# Altium PCB PCB_UDC_PlacaControle_V2.0.PcbDoc (part 6 of 7) (continued)
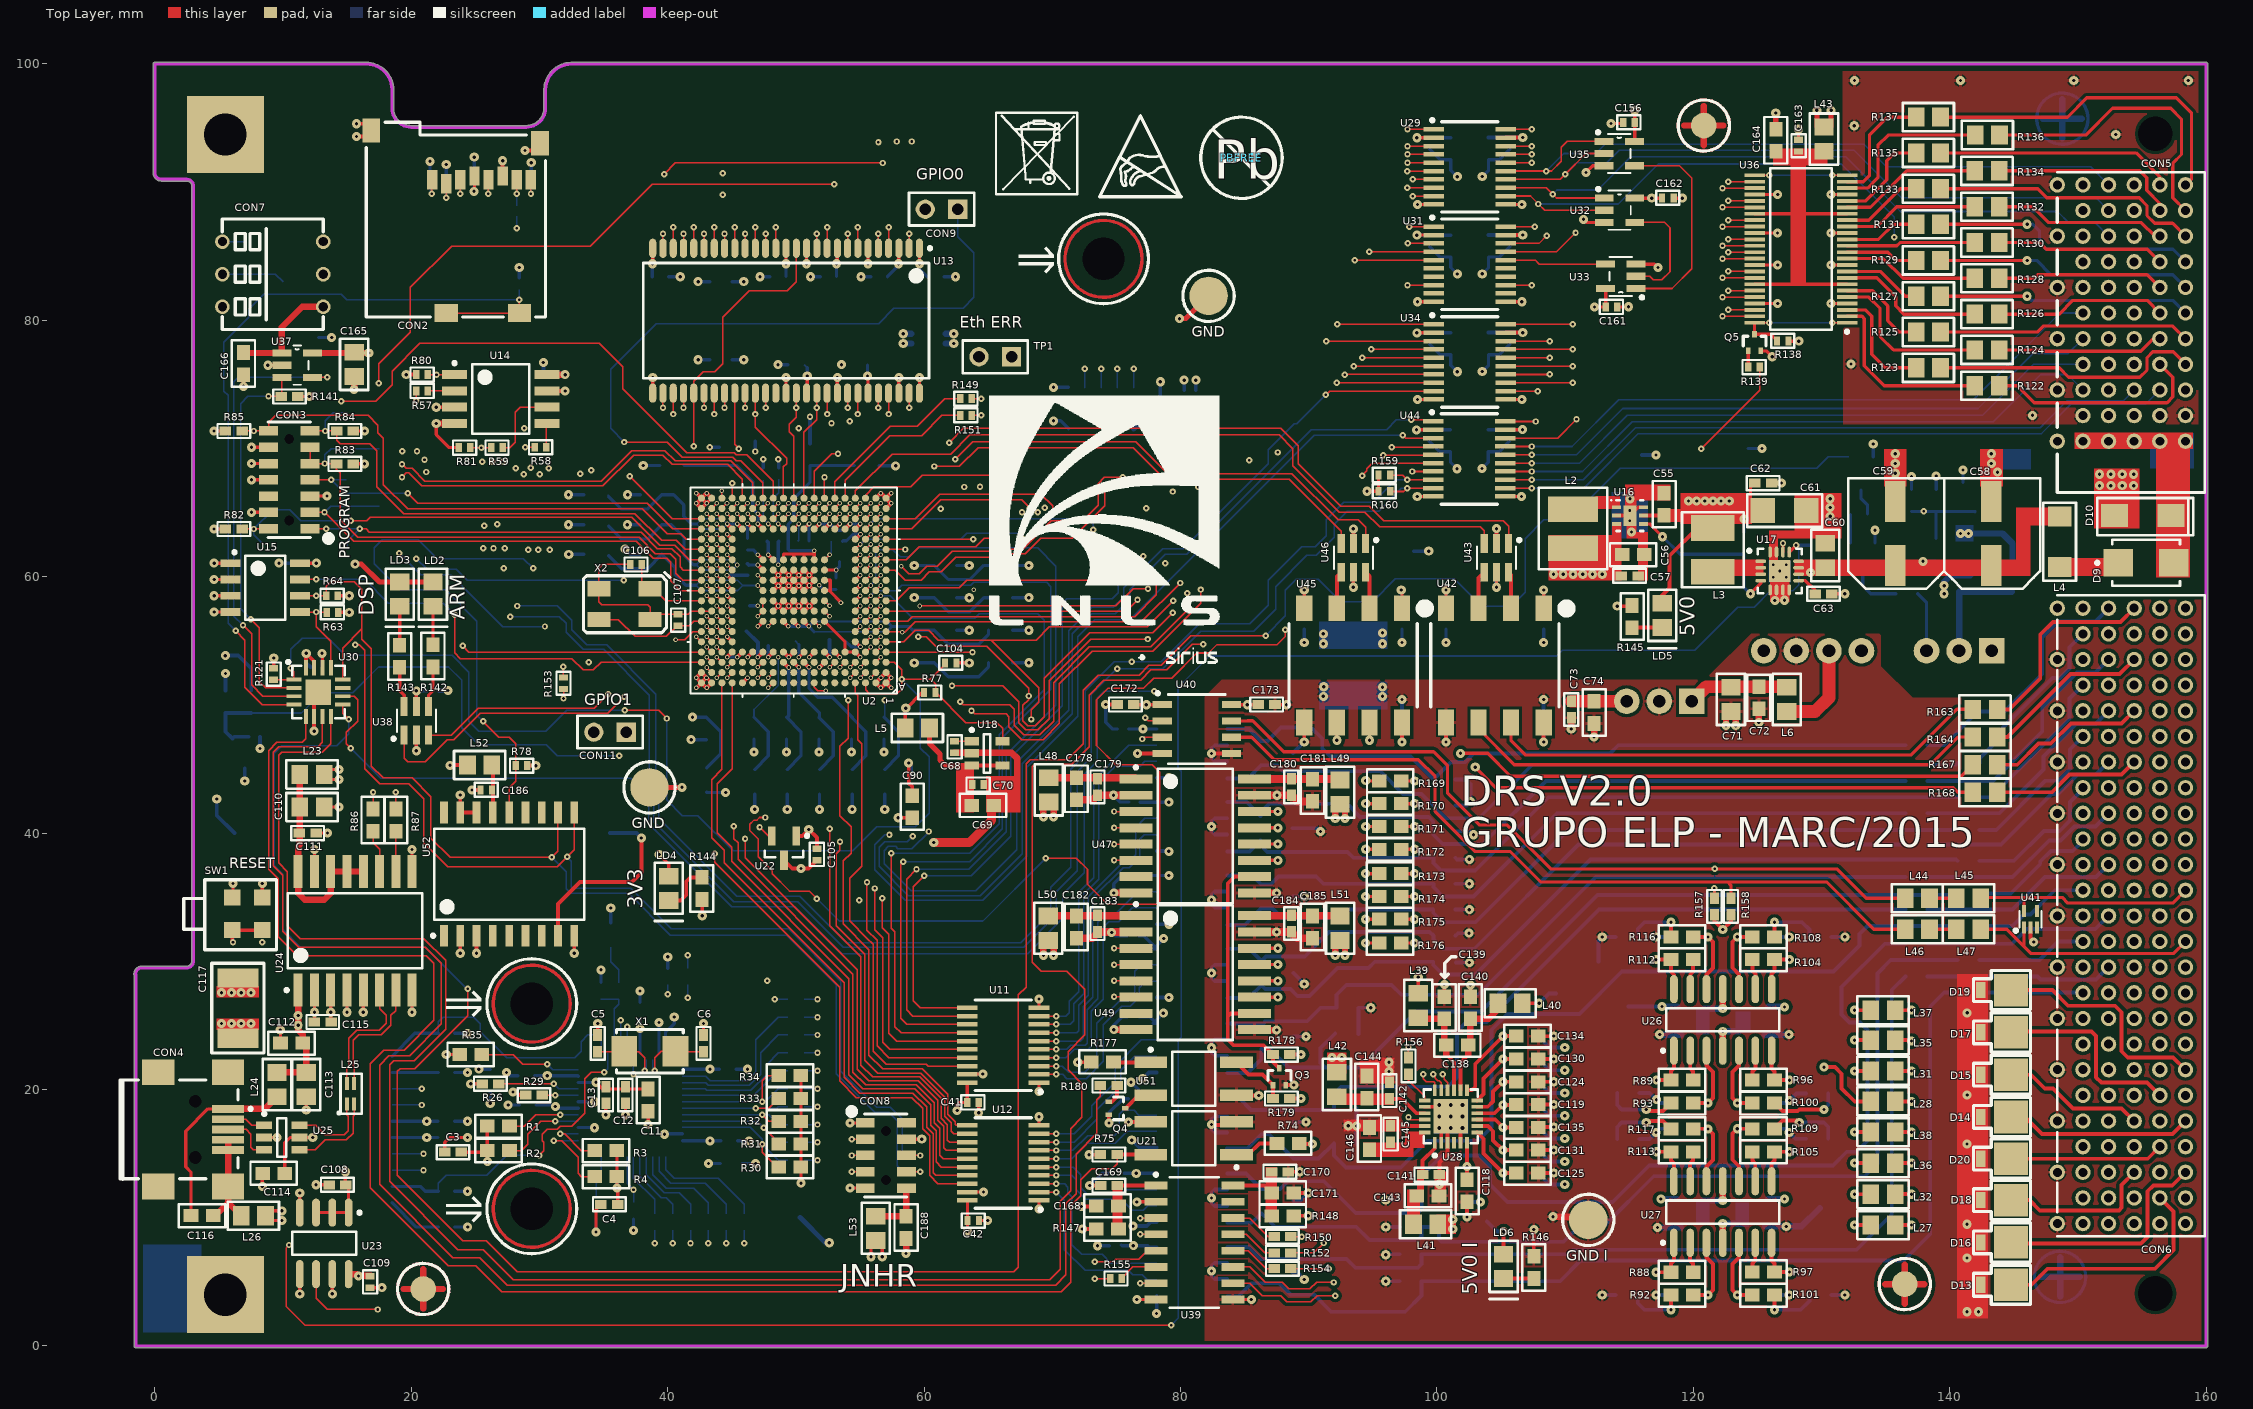
[diagram p0: Top Layer view]
## Nets (pads, with @x,y where several pads share a name; then routed paths per layer and width w, separated by ;. In a path a pad name is that pad's centre, name@x,y a point inside that pad or via, vN(x,y) a via of type N, cw(c..) or ccw(c..) an arc to the next point about the centre after c; other vN are vias at no path point) (continued)
  Top Layer w0.3: v1(19.609,75.769) R80.1@20.396,75.769 ; v1(21.946,73.228) U14.3@23.375,73.228 ; v1@23.038,45.314 L52.2@24.384,45.314 ; R78.1@29.061,45.266 v1(29.715,45.266) ; U14.7@30.575,74.498 v1(32.004,74.498) ; U22.1@50.023,39.787 50.504,39.787 v1(51.002,40.284) 51.638,39.648 C105.2@51.638,38.797 ; v1(71.992,22.128) R177.1@73.023,22.128 ; v1(72.339,9.125) R147.1@73.439,9.125 ; C172.2@76.373,50.022 U40.1@78.58,50.022
  Top Layer w0.4: v1(15.621,60.985) 16.125,60.985 17.522,59.588 LD3.2@19.101,59.588 LD2.2@21.692,59.588
  Top Layer w0.5: U14.8@30.575,75.768 v1(32.004,75.768) ; v1(69.314,30.48) L50.1@69.314,31.157 ; v1(69.314,41.275) L48.1@69.314,42.02 ; v1(70.104,30.48) L50.1@70.104,31.222 ; v1(70.104,41.275) L48.1@70.104,42.048
  Bottom Layer w0.254: C54.2@11.873,61.062 v1(12.598,61.062) ; TP19.1@12.779,78.664 v1(13.792,78.664) ; C155.2@13.041,52.959 v1(13.041,54.026) ; CON1.6@18.5,16.256 C2.2@22.068,16.256 ; CON1.3@18.5,17.526 C1.2@22.068,17.526 ; v1(20.396,51.105) 21.249,51.105 C167.2@21.274,51.13 ; R62.1@21.463,91.593 v1(21.463,92.405) ; R61.1@22.733,91.339 v1(22.733,92.151) ; R28.2@23.398,9.271 v1(24.399,9.271) ; R23.2@23.398,12.065 v1(24.384,12.065) ; R27.2@23.398,21.336 v1(24.384,21.336) ; R24.2@23.398,24.384 v1(24.384,24.384) ; v1(24.892,90.068) C53.2@24.892,90.997 ; v1@25.299,21.564 C7.2@26.162,21.564 ; R60.1@28.423,83.312 v1(28.423,84.125) ; C9.2@29.621,21.082 v1(30.607,21.082) 32.998,21.082 U1.23@33.034,21.046 ; C8.2@29.748,18.796 31.115,18.796 31.365,18.546 U1.18@33.034,18.546 ; v1(32.263,64.059) L12.1@33.461,64.059 ; v1(32.263,66.396) L19.1@33.461,66.396 ; v1(32.283,61.749) L11.1@33.481,61.749 ; U1.22@33.034,20.546 v1@34.389,20.546 ; R25.2@34.798,28.351 v1(34.798,29.337) ; LD1.2@35.56,33.02 v1(35.56,34.163) ; v1(37.338,9.017) R36.1@37.338,9.906 ; U1.32@37.834,22.846 C15.2@37.834,25.485 ; v1(38.1,68.682) L20.1@39.375,68.682 ; R37.1@40.005,29.464 v1(40.005,30.353) ; U1.48@41.178,16.002 C16.2@44.166,16.002 ; U1.37@41.178,21.59 C10.2@44.039,21.59 ; L18.1@43.053,43.186 43.058,43.181 v1(44.526,43.181) ; v1(43.18,14.224) C14.2@44.095,14.224 ; v1(46.787,41.859) L17.1@46.787,43.058 ; v2(46.836,69.774) R79.1@46.838,70.587 R79.1@46.838,70.587 ; v1(49.327,41.859) L9.1@49.327,43.058 ; v1(51.853,41.859) L8.1@51.853,43.058 ; v1(54.393,41.859) L10.1@54.393,43.058 ; L16.1@56.51,68.656 v1(57.785,68.656) ; v1(56.933,41.859) L21.1@56.933,43.058 ; L15.1@66.924,53.293 v1(68.174,53.293) ; L22.1@66.924,55.829 v1(68.174,55.829) ; L14.1@66.924,58.369 v1(68.174,58.369) ; L13.1@66.924,60.884 v1(68.174,60.884) ; C36.2@75.389,7.874 75.442,7.821 77.443,7.821 77.543,7.721 U10.8@78.149,7.721 ; C35.2@75.616,13.462 U9.8@78.149,13.462 ; C17.2@75.975,48.133 v1(77.089,48.133) U3.8@78.149,48.133 ; v1(76.149,20.574) 76.821,19.903 C30.2@76.821,19.279 ; C24.2@76.738,31.988 77.149,31.988 U6.8@78.149,30.988 77.902,30.988 v1(78.689,31.775) ; C29.2@76.765,25.686 77.609,25.686 U7.8@78.149,25.146 ; C23.2@76.765,36.703 U5.8@78.149,36.703 v1(79.096,36.703) ; C30.2@76.825,19.279 U8.8@78.136,19.279 ; C18.2@76.866,42.418 U4.8@78.149,42.418 v1@79.248,42.418 ; U7.8@78.175,25.172 77.877,25.172 v1(78.664,25.959) ; L54.1@80.289,74.544 v1(80.289,75.336) ; L54.1@81.204,74.544 v1(81.204,75.336) ; v1(89.662,54.864) R165.2@89.662,55.929 ; v1(93.488,59.182) C177.2@93.488,60.821 ; v1(97.282,54.864) R166.2@97.282,55.906 ; TP2.1@98.2,62 v1(99.365,62) ; v1(98.413,71.461) C187.2@101.053,71.461 ; v1(98.439,79.03) C158.2@99.441,79.03 C157.2@101.078,79.03 ; v1(98.439,86.65) C152.2@99.441,86.65 C151.2@101.078,86.65 ; v1(98.439,94.245) C148.2@99.441,94.245 C147.2@101.078,94.245 ; v1@100.716,54.869 R161.2@100.716,55.906 ; C175.2@104.602,60.93 104.602,59.228 v1(104.648,59.182) ; v1(108.331,54.864) R162.2@108.331,55.906
  Bottom Layer w0.5: C52.2@31.202,75.768 v1(32.004,75.768) ; L1.1@61.678,78.198 v1(62.318,78.198) ; L1.1@61.678,78.96 v1(62.318,78.96)
  other v1: 76.327,7.823 76.556,13.462 43.307,16.002 21.209,16.256 21.209,17.526 31.24,18.671 25.273,21.59 43.307,21.59 37.834,24.765 79.096,42.418 23.012,45.288 58.572,49.753 77.343,50.022 100.711,54.864 109.093,60.198 109.855,60.198 110.617,60.198 111.379,60.198 112.141,60.198 112.903,60.198
VDD5V: C55.2 C61.2 C62.2 C109.2 C149.2 C150.2 C153.2 C154.2 C156.2 C159.2 C160.2 C161.2 C162.2 C165.2 C191.2 C192.2 L3.2 L7.1 L43.1 LD5.2 Q1.2 R68.1 R69.1 R138.1 TP3.1 U16.5 U17.14 U23.8 U29.19 U31.19 U32.5 U33.5 U34.19 U35.5 U37.5 U44.19 | length 161
  Top Layer w0.254: v1(112.293,81.05) C161.2@113.171,81.05 U33.5@113.171,82.473 ; U35.5@115.443,93.99 v1(115.443,96.393) ; U32.5@115.453,89.535 v1(116.764,89.535) C162.2@117.54,89.535 ; 124.46,66.294 124.46,66.959 C62.2@124.811,67.31 ; U17.14@126.996,61.927 v5@126.996,62.607 ; R138.1@127.432,78.38 v1(128.239,78.38)
  Top Layer w0.3: U44.19@105.35,71.475 v1(106.68,71.475) ; U29.19@105.365,94.248 105.375,94.259 v1(106.705,94.259) ; U34.19@105.375,79.044 v1(106.705,79.044) ; U31.19@105.375,86.664 v1(106.705,86.664) ; U16.5@116.116,64.77 C55.2@117.706,64.77 ; LD5.2@117.577,57.937 117.577,58.547 118.161,59.131 118.161,61.641 L3.2@120.323,63.803
  Top Layer w0.4: L43.1@129.642,95.119 v1(129.642,96.383) ; L43.1@130.759,95.119 v1(130.759,96.383)
  Top Layer w0.5: U37.5@12.294,77.455 v1(16.688,77.455) ; U23.8@15.113,5.601 15.735,5.601 v1(15.875,5.461) C109.2@16.861,5.461
  Signal 2 w0.3: 3.708,52.908 4.166,52.451 v1(5.512,52.451)
  Signal 2 w0.5: v1(15.875,5.461) 16.688,5.461 18.821,7.595 18.821,20.828 23.546,25.552 23.546,29.524 20.608,32.461 4.496,32.461 3.708,33.249 3.708,76.149 5.014,77.455 v1(16.688,77.455)
  Bottom Layer w0.254: R68.1@123.952,63.474 v1(123.952,64.516) ; TP3.1@124.302,70.002 v1(125.374,70.002) ; Q1.2@134.173,62.641 v1(134.173,63.627)
  Bottom Layer w0.3: R69.1@5.512,51.104 v1(5.512,52.451) ; C192.2@104.013,71.475 v1(106.68,71.475) ; C160.2@104.038,79.044 v1(106.705,79.044) ; C154.2@104.038,86.664 v1(106.705,86.664) ; C150.2@104.038,94.259 v1(106.705,94.259)
  Bottom Layer w0.5: v1@140.741,63.373 144.127,63.373 144.907,62.593 L7.1@144.907,60.776
  other v1: 140.843,63.373 141.478,63.373 119.634,65.913 120.269,65.913 120.904,65.913 121.539,65.913 122.174,65.913 122.809,65.913
  other v5: 127,62.611
VDD5V_ISO: C73.2 C74.2 C173.2 C174.2 C176.2 L41.2 L42.2 L49.2 L51.2 LD6.2 R74.1 R148.2 R157.1 R158.1 R178.1 R179.1 TP5.1 U19.3 U40.8 U42.8 U45.8 | length 24.9
  Top Layer w0.3: U40.8@83.98,50.022 v1(85.217,50.022) C173.2@86.187,50.022 ; R179.1@88.519,19.304 v1(89.395,19.304) ; R178.1@88.524,22.733 v1(89.408,22.733) ; R148.2@88.844,10.156 v1(89.974,10.156) ; R74.1@89.313,15.748 v1(90.297,15.748) ; v1(97.282,47.117) U45.8@97.282,48.636 ; LD6.2@105.207,7.163 v1(105.207,8.915) ; v1(108.331,47.117) U42.8@108.331,48.633 ; R157.1@121.654,33.638 121.654,33.136 v1(122.305,32.485) 122.939,33.12 R158.1@122.939,33.638
  Top Layer w0.5: v1(92.075,30.48) L51.2@92.075,31.253 ; v1(92.075,41.148) L49.2@92.075,41.864 ; v1(92.837,30.48) L51.2@92.837,31.253 ; v1(92.837,41.148) L49.2@92.837,41.864
  Top Layer w1: C73.2@110.49,50.297 U19.3@114.803,50.297
  Bottom Layer w0.3: v1(97.282,47.117) C176.2@97.282,48.247 ; TP5.1@103.9,9.7 104.685,8.915 v1(105.207,8.915) ; v1(108.331,47.117) C174.2@108.331,48.247
  other v1: 101.244,9.113 101.244,9.864 91.821,22.509 92.583,22.509
VDD15V: CON5.A11 CON5.B11 CON5.C11 CON5.D11 CON5.E11 D9.2 D10.K TP20.1
VDD15V_ISO: L6.1 L29.2 L33.2 L40.2 TP6.1 U20.6 | length 12.9
  Top Layer w0.3: L40.2@106.674,26.735 v1(107.98,26.735)
  Top Layer w1: L6.1@127.292,49.489 129.508,49.489 130.581,50.562 U20.6@130.581,54.229
  Bottom Layer w0.3: v1(107.98,26.735) 108.745,27.5 TP6.1@109.3,27.5
  Bottom Layer w0.5: L33.2@125.857,11.46 v1(127.127,11.46) ; L29.2@125.857,26.446 v1(127.127,26.446)
VDD-15V_ISO: L30.2 L34.2 L39.2 TP8.1 U20.8 | length 6.3
  Top Layer w0.3: L39.2@98.547,27.51 v1(98.547,28.762)
  Bottom Layer w0.3: TP8.1@114.928,26.472 v1(117.571,26.472)
  Bottom Layer w0.5: v1(117.475,11.46) L34.2@118.709,11.46 ; v1(117.571,26.472) L30.2@118.775,26.472
VOLT_IN_TRIP: U2.B4 U2.H17 | length 15.8
  Top Layer w0.102: v3(43.842,57.721) U2.H17@44.235,57.328 ; v3(54.242,52.135) U2.B4@54.635,52.528
  Signal 2 w0.102: v3(43.842,57.721) 44.235,57.328 45.796,57.328 46.126,56.998 46.126,55.614 46.775,54.966 53.442,54.966 53.848,54.559 53.848,52.528 v3(54.242,52.135)
pads on no net: ?.FD CON3.0 CON3.6 CON4.MH1 CON4.MH2 CON5.A9 CON6.A2 CON6.A4 CON6.A6 CON6.A8 CON6.A9 CON6.A10 CON6.A11 CON6.A13 CON6.A15 CON6.A16 CON6.A17 CON6.A18 CON6.A20 CON6.A22 CON6.A24 CON6.A25 CON6.B1 CON6.B3 CON6.B5 CON6.B7 CON6.B9 CON6.B10 CON6.B11 CON6.B12 CON6.B13 CON6.B14 CON6.B15 CON6.B16 CON6.B17 CON6.B18 CON6.B19 CON6.B21 CON6.B23 CON6.B25 CON6.C2 CON6.C4 CON6.C6 CON6.C8 CON6.C9 CON6.C10 CON6.C11 CON6.C12 CON6.C13 CON6.C14 CON6.C15 CON6.C16 CON6.C17 CON6.C18 CON6.C19 CON6.C20 CON6.C22 CON6.C24 CON6.C25 CON6.D2 CON6.D4 CON6.D6 CON6.D8 CON6.D10 CON6.D12 CON6.D14 CON6.D16 CON6.D17 CON6.D18 CON6.D19 CON6.D20 CON6.D21 CON6.D22 CON6.D23 CON6.D24 CON6.D25 CON6.E1 CON6.E3 CON6.E5 CON6.E7 CON6.E9 CON6.E11 CON6.E13 CON6.E15 CON6.E17 CON6.E18 CON6.E19 CON6.E20 CON6.E21 CON6.E22 CON6.E23 CON6.E24 CON6.E25 CON7.1 CON7.4 CON8.0 CON8.2 CON10.0 CON10.3 CON10.5 CON10.7 D11.2 D12.2 U1.8 U1.9 U1.10 U1.12 U1.25 U2.A5 U2.A6 U2.A7 U2.A9 U2.A10 U2.A11 U2.A13 U2.A14 U2.B5 U2.B6 U2.B7 U2.B8 U2.B9 U2.B10 U2.B11 U2.B14 U2.B15 U2.C8 U2.C12 U2.C14 U2.C15 U2.K1 U2.L1 U13.40 U20.5 U28.4 U30.11 U31.6 U31.7 U31.9 U31.12 U31.14 U31.15 U39.15 U41.3 U41.4 U47.7 U49.7 U52.1 U52.4 U52.5 U52.6 U52.7 U52.12 U52.13 U52.18

## Polygon pours and split planes (outlines as drawn)
GND on Top Layer "Mechanical 14-No Net" (solid, remove dead copper, pour order 5): 131.674,91.694 131.674,99.441 159.385,99.441 159.385,96.799 159.385,71.882 154.584,71.882 131.699,71.882
GND_ISO on Top Layer "Mechanical 14-No Net" (solid, pour order 7): 81.915,0 81.915,6.553 81.915,50.648 83.236,51.968 85.42,51.968 120.929,51.968 124.536,55.575 126.314,55.575 134.518,55.575 134.645,55.448 134.645,54.66 134.645,53.035 137.135,50.546 138.074,50.546 145.136,50.546 147.041,52.451 147.041,56.185 147.041,57.256 147.976,58.191 152.349,58.191 160,58.191 160,0
GND_ISO on Bottom Layer "Mechanical 14-No Net" (solid, pour order 6): 81.915,0 81.915,6.553 81.915,50.648 83.236,51.968 85.42,51.968 120.929,51.968 124.536,55.575 126.314,55.575 134.518,55.575 134.645,55.448 134.645,54.66 134.645,53.035 137.135,50.546 138.074,50.546 145.136,50.546 147.041,52.451 147.041,56.185 147.041,57.256 147.976,58.191 152.349,58.191 160,58.191 160,0
GND on Bottom Layer "Mechanical 14-No Net" (solid, pour order 8): 34.334,21.539 39.827,21.539 39.827,16.06 39.834,16.053 34.334,16.053
no net on GND (split plane): 32.48,99.614 32.511,99.617
GND_SH on GND (split plane): 9.658,90.418 3.383,90.418 3.383,90.5 3.381,90.517 3.375,90.615 3.352,90.728 3.315,90.838 3.264,90.941 3.2,91.037 3.124,91.124 3.037,91.2 2.941,91.264 2.838,91.315 2.728,91.352 2.615,91.375 2.517,91.381 2.502,91.383 2.5,91.383 2.499,91.383 0.5,91.383 0.493,91.382 0.454,91.39 0.416,91.416 0.39,91.454 0.382,91.493 0.383,91.5 0.383,99.617 9.658,99.617
GND_ISO on GND (split plane): 159.617,0.383 81.901,0.383 81.901,50.639 83.219,51.957 120.454,51.957 120.585,51.965 120.713,51.991 120.837,52.033 120.955,52.091 121.064,52.164 121.163,52.25 124.497,55.585 134.514,55.585 134.65,55.448 134.65,53.45 134.659,53.32 134.685,53.191 134.727,53.067 134.785,52.949 134.858,52.84 134.944,52.742 136.832,50.853 136.931,50.767 137.04,50.694 137.157,50.636 137.282,50.594 137.41,50.568 137.541,50.56 144.78,50.56 144.911,50.568 145.039,50.594 145.164,50.636 145.281,50.694 145.39,50.767 145.489,50.853 146.716,52.08 146.802,52.179 146.875,52.288 146.933,52.405 146.975,52.53 147.001,52.658 147.009,52.789 147.009,57.2 147.989,58.18 159.512,58.18 159.617,58.187
"GND USB" on GND (split plane): 10.668,29.343 20.707,29.343 20.707,25.735 20.493,25.521 19.812,25.521 19.714,25.512 19.62,25.483 19.533,25.437 19.457,25.374 18.207,24.124 16.383,24.124 16.285,24.115 16.191,24.086 16.104,24.04 16.028,23.977 15.901,23.85 15.838,23.774 15.792,23.687 15.763,23.593 15.754,23.495 15.754,9.265 -0.998,9.265 -0.998,22.485 3.937,22.485 4.035,22.494 4.129,22.523 4.216,22.569 4.292,22.632 4.355,22.708 4.401,22.795 4.43,22.889 4.439,22.987 4.439,25.533 9.779,25.533 9.877,25.542 9.971,25.571 10.058,25.617 10.134,25.68 10.197,25.756 10.243,25.843 10.272,25.937 10.281,26.035 10.281,29.343 10.541,29.343 10.604,29.349
GND_SH on GND (split plane): 8.972,0.383 -1.117,0.383 -1.117,8.261 8.972,8.261
GND on GND (split plane): 274 vertices, not listed, extent -1.121,0.383 159.617,99.618
VDD5V on VCC (split plane): 159.617,60.177 159.512,60.184 147.574,60.184 147.443,60.176 147.315,60.15 147.19,60.108 147.073,60.05 146.964,59.977 146.865,59.891 145.298,58.324 145.212,58.225 145.139,58.116 145.081,57.999 145.039,57.874 145.013,57.746 145.005,57.615 145.005,53.204 144.365,52.564 137.956,52.564 136.638,53.882 136.638,55.88 136.63,56.011 136.604,56.139 136.562,56.264 136.504,56.381 136.431,56.49 136.345,56.589 135.637,57.296 135.539,57.382 135.43,57.455 135.312,57.513 135.188,57.555 135.06,57.581 134.929,57.589 124.082,57.589 123.951,57.581 123.823,57.555 123.699,57.513 123.581,57.455 123.472,57.382 123.374,57.296 122.2,56.122 118.87,59.452 118.87,69.063 118.862,69.128 118.836,69.189 118.796,69.241 117.145,70.892 117.093,70.932 117.032,70.957 116.967,70.966 103.736,70.966 102.792,71.91 102.792,98.323 102.783,98.389 102.758,98.449 102.718,98.502 102.693,98.527 102.64,98.567 102.58,98.592 102.514,98.601 32.995,98.601 32.929,98.592 32.869,98.567 32.816,98.527 32.13,97.841 32.09,97.789 32.065,97.728 32.057,97.663 32.057,95.659 30.198,93.8 20.757,93.8 20.692,93.792 20.631,93.767 20.579,93.727 17.424,90.572 17.384,90.519 17.359,90.459 17.35,90.393 17.35,76.732 15.746,76.732 15.746,91.437 19.183,94.874 19.269,94.833 19.443,94.77 19.622,94.725 19.805,94.698 19.986,94.69 19.99,94.689 28.959,94.689 28.958,94.667 28.98,94.657 28.98,94.689 28.982,94.689 28.987,94.689 28.989,94.689 28.997,94.69 29.165,94.698 29.347,94.725 29.527,94.77 29.701,94.832 29.868,94.911 30.026,95.006 30.174,95.117 30.311,95.241 30.435,95.378 30.546,95.526 30.641,95.684 30.72,95.851 30.782,96.025 30.827,96.205 30.854,96.387 30.863,96.568 30.863,96.572 30.863,97.994 30.884,97.993 30.895,98.019 30.863,98.019 30.863,98.021 30.863,98.027 30.863,98.03 30.869,98.152 30.892,98.309 30.931,98.463 30.984,98.613 31.052,98.756 31.134,98.893 31.229,99.02 31.335,99.138 31.453,99.245 31.581,99.339 31.717,99.421 31.861,99.489 32.01,99.542 32.164,99.581 32.321,99.604 32.436,99.61 32.438,99.61 32.442,99.61 32.448,99.61 32.448,99.611 32.48,99.614 32.48,99.585 32.556,99.617 159.617,99.617
NetC43_2 on VCC (split plane): 60.149,81.509 60.149,74.674 38.022,74.674 38.022,85.192 38.022,85.371 60.149,85.371
no net on VCC (split plane): 32.48,99.614 32.511,99.617
VDD5V_ISO on VCC (split plane): 159.617,0.383 81.901,0.383 81.901,50.639 83.219,51.957 120.454,51.957 120.585,51.965 120.713,51.991 120.837,52.033 120.955,52.091 121.064,52.164 121.163,52.25 123.016,54.103 123.016,48.514 123.021,48.455 123.038,48.399 123.066,48.347 123.104,48.301 124.51,46.895 124.51,32.113 121.654,29.257 113.982,29.257 112.168,31.071 112.122,31.109 112.07,31.137 112.014,31.154 111.955,31.16 98.052,31.16 97.994,31.154 97.937,31.137 97.885,31.109 97.839,31.071 96.601,29.834 96.564,29.788 96.536,29.736 96.519,29.679 96.513,29.62 96.513,27.997 96.519,27.939 96.536,27.882 96.564,27.83 96.601,27.784 98.034,26.352 98.08,26.314 98.132,26.286 98.188,26.269 98.247,26.263 105.675,26.263 105.734,26.269 105.791,26.286 105.843,26.314 105.889,26.352 106.373,26.836 106.373,26.382 106.378,26.323 106.396,26.267 106.423,26.215 106.461,26.169 107.303,25.326 107.349,25.289 107.401,25.261 107.458,25.244 107.517,25.238 108.827,25.238 109.589,24.476 109.589,11.657 109.595,11.598 109.612,11.542 109.64,11.489 109.677,11.444 113.218,7.903 113.263,7.866 113.315,7.838 113.372,7.821 113.431,7.815 131.503,7.815 131.562,7.821 131.619,7.838 131.671,7.866 131.716,7.903 132.486,8.673 132.524,8.719 132.552,8.771 132.569,8.827 132.574,8.886 132.574,27.763 135.866,31.054 135.903,31.1 135.931,31.152 135.948,31.209 135.954,31.268 135.954,51.732 136.832,50.853 136.931,50.767 137.04,50.694 137.157,50.636 137.282,50.594 137.41,50.568 137.541,50.56 144.78,50.56 144.911,50.568 145.039,50.594 145.164,50.636 145.281,50.694 145.39,50.767 145.489,50.853 146.716,52.08 146.802,52.179 146.875,52.288 146.933,52.405 146.975,52.53 147.001,52.658 147.009,52.789 147.009,57.2 147.989,58.18 159.512,58.18 159.617,58.187
VDD15V_ISO on VCC (split plane): 134.634,55.465 134.634,53.467 134.642,53.336 134.668,53.208 134.71,53.083 134.768,52.966 134.841,52.857 134.927,52.758 135.351,52.335 135.351,31.392 132.06,28.101 132.022,28.055 131.994,28.003 131.977,27.947 131.972,27.888 131.972,9.011 131.378,8.418 113.556,8.418 110.192,11.782 110.192,24.601 110.186,24.66 110.169,24.717 110.141,24.769 110.103,24.814 109.165,25.753 109.12,25.79 109.067,25.818 109.011,25.835 108.952,25.841 107.641,25.841 106.976,26.507 106.976,27.442 107.433,27.9 110.089,27.9 112.694,25.295 112.694,12.325 112.7,12.266 112.717,12.209 112.745,12.157 112.782,12.112 114.747,10.147 114.793,10.109 114.845,10.081 114.901,10.064 114.96,10.059 124.374,10.059 124.433,10.064 124.489,10.081 124.541,10.109 124.587,10.147 125.64,11.2 125.678,11.246 125.706,11.298 125.723,11.354 125.728,11.413 125.728,26.381 131.277,31.93 131.315,31.976 131.343,32.028 131.36,32.084 131.365,32.143 131.365,48.641 131.36,48.7 131.343,48.756 131.315,48.808 131.277,48.854 128.317,51.814 128.317,55.585 134.514,55.585
VDD-15V_ISO on VCC (split plane): 127.715,51.689 127.72,51.63 127.737,51.574 127.765,51.522 127.803,51.476 130.763,48.516 130.763,32.268 125.214,26.719 125.176,26.673 125.148,26.621 125.131,26.565 125.126,26.506 125.126,11.538 124.249,10.661 115.085,10.661 113.297,12.45 113.297,25.42 113.291,25.479 113.274,25.535 113.246,25.587 113.208,25.633 110.427,28.415 110.381,28.452 110.329,28.48 110.273,28.497 110.214,28.503 107.308,28.503 107.25,28.497 107.193,28.48 107.141,28.452 107.095,28.415 106.461,27.78 106.423,27.735 106.407,27.705 106.386,27.693 106.34,27.656 105.551,26.866 98.372,26.866 97.116,28.122 97.116,29.496 98.177,30.557 111.83,30.557 113.644,28.743 113.69,28.705 113.742,28.677 113.798,28.66 113.857,28.655 121.779,28.655 121.838,28.66 121.894,28.677 121.946,28.705 121.992,28.743 125.024,31.775 125.062,31.821 125.09,31.873 125.107,31.929 125.112,31.988 125.112,47.02 125.107,47.079 125.09,47.135 125.062,47.187 125.024,47.233 123.618,48.639 123.618,54.706 124.497,55.585 127.715,55.585
USB_5V0 on VCC (split plane): 12.071,25.4 12.08,25.302 12.109,25.208 12.155,25.121 12.218,25.045 12.96,24.303 12.96,14.686 10.313,12.039 10.25,11.963 10.204,11.876 10.175,11.782 10.166,11.684 10.166,9.265 -0.998,9.265 -0.998,22.485 3.937,22.485 4.035,22.494 4.129,22.523 4.216,22.569 4.292,22.632 4.355,22.708 4.401,22.795 4.43,22.889 4.439,22.987 4.439,25.533 9.779,25.533 9.877,25.542 9.971,25.571 10.058,25.617 10.134,25.68 10.197,25.756 10.243,25.843 10.272,25.937 10.281,26.035 10.281,29.343 12.071,29.343
USB_3V3 on VCC (split plane): 20.707,25.735 20.493,25.521 19.812,25.521 19.714,25.512 19.62,25.483 19.533,25.437 19.457,25.374 18.207,24.124 16.383,24.124 16.285,24.115 16.191,24.086 16.104,24.04 16.028,23.977 15.901,23.85 15.838,23.774 15.792,23.687 15.763,23.593 15.754,23.495 15.754,9.265 11.17,9.265 11.17,11.476 13.817,14.123 13.88,14.199 13.926,14.286 13.955,14.38 13.964,14.478 13.964,24.511 13.955,24.609 13.926,24.703 13.88,24.79 13.817,24.866 13.075,25.608 13.075,29.343 20.707,29.343
GND_SH on VCC (split plane): 9.681,90.418 3.383,90.418 3.383,90.5 3.381,90.517 3.375,90.615 3.352,90.728 3.315,90.838 3.264,90.941 3.2,91.037 3.124,91.124 3.037,91.2 2.941,91.264 2.838,91.315 2.728,91.352 2.615,91.375 2.517,91.381 2.502,91.383 2.5,91.383 2.499,91.383 0.5,91.383 0.493,91.382 0.454,91.39 0.416,91.416 0.39,91.454 0.382,91.493 0.383,91.5 0.383,99.617 9.681,99.617
VDD3V3 on VCC (split plane): 209 vertices, not listed, extent -1.121,0.383 121.843,99.618
GND_SH on VCC (split plane): 8.972,0.383 -1.117,0.383 -1.117,8.261 8.972,8.261

## Keep-outs
Keep-Out Layer:
  lines w0.254: -1.508,29 cw(c-1.008,29) -1.008,29.5 2.5,29.5 ccw(c2.5,30) 3,30 3,90.5 ccw(c2.5,90.5) 2.5,91 0.5,91 cw(c0.5,91.5) 0,91.5 0,100 16.5,100 cw(c16.5,98) 18.5,98 18.5,96.572 ; -1.5,29 -1.5,0 160,0 160,100 32.48,100 ; 18.49,96.572 ccw(c19.99,96.572) 19.99,95.072 28.98,95.072 ccw(c28.98,96.572) 30.48,96.572 30.48,98.019 ; 30.48,97.993 cw(c32.48,97.993) 32.48,99.993

## Other copper
Top Layer:
  rectangle net NetC163_2: 127.584,82.673 128.803,92.401
  rectangle net NetC163_2: 126.238,92.071 130.48,93.392
  rectangle net GND_ISO: 140.589,2.159 142.977,29
  rectangle net NetC168_2: 74.702,9.396 75.465,12.842
  rectangle net NetC170_2: 86.64,9.836 87.529,13.957
  region net VDD5V_ISO: 92.964,21.239 92.964,22.89 91.44,22.89 91.44,21.239
  region net VDD5V_ISO: 101.481,10.26 99.965,10.26 99.965,8.736 101.481,8.736
  rectangle net GND_ISO: 93.98,20.477 96.703,22.509
  rectangle net NetC141_2: 97.663,8.996 98.679,12.222
  rectangle net NetC141_2: 98.439,11.46 98.991,13.746
  rectangle net GND_ISO: 99.822,11.236 100.711,13.619
  rectangle net NetC142_2: 91.44,18.806 96.647,19.706
  rectangle net NetC145_2: 97.536,15.441 99.041,16.748
  rectangle net NetC145_2: 94.234,14.752 98.171,15.875
  rectangle net GND_ISO: 92.71,16.748 97.171,17.656
  rectangle net "GND USB": 4.826,24.638 8.128,25.527
  rectangle net GND: 4.826,27.178 8.128,28.067
  rectangle net NetL3_1: 122.682,60.071 125.476,61.341
  rectangle net VDD5V: 118.999,64.135 124.587,66.548
  rectangle net GND: 125.9,61.214 126.619,63.627
  rectangle net GND: 125.9,62.992 131.064,63.627
  rectangle net GND: 127.889,62.992 131.572,66.548
  rectangle net NetC58_1: 127.889,60.071 145.288,61.341
  rectangle net NetC58_1: 145.161,64.008 149.479,65.405
  rectangle net NetC58_1: 145.161,60.071 146.304,64.262
  rectangle net NetD9_1: 147.955,60.071 154.305,61.468
  rectangle net VDD15V: 149.733,69.977 159.004,71.247
  rectangle net VDD15V: 156.083,59.944 158.75,70.104
  rectangle net GND: 125.996,58.039 127.508,59.817
  rectangle net GND: 134.874,67.056 136.652,69.977
  rectangle net GND: 142.367,67.056 144.145,69.977
  rectangle net VDD3V3: 108.712,59.721 114.397,63.246
  rectangle net NetL2_1: 112.395,65.279 114.3,66.294
  rectangle net GND: 114.666,65.532 115.57,67.183
  rectangle net GND: 115.32,65.959 118.237,67.183
  rectangle net GND: 115.697,59.721 116.459,63.5
  rectangle net VDD5V: 117.983,64.262 119.634,65.278
  rectangle net GND: 114.808,63.004 115.57,64.008
  rectangle net GND: 115.466,63.004 115.866,63.5
  rectangle net VDD3V3: 113.665,63.119 114.397,64.262
  rectangle net GND: 151.257,63.779 154.813,68.453
  rectangle net NetC69_2: 62.509,41.631 63.881,45.288
  rectangle net GND: 64.846,41.631 67.539,44.475
Bottom Layer:
  rectangle net GND: 142.596,68.351 146.355,69.977
  rectangle net VDD15V: 155.626,68.453 159.055,71.222
  rectangle net GND_ISO: 90.805,49.641 96.139,51.816
  rectangle net GND: 90.805,54.356 96.139,56.515
  rectangle net +15V_1: 123.317,24.414 124.46,26.095
  rectangle net -15V_1: 120.222,24.287 121.285,26.319
  rectangle net +15V_2: 123.317,9.266 124.333,11.206
  rectangle net -15V_2: 120.222,9.428 121.285,11.348
  rectangle net VDD5V: 140.462,62.738 141.859,64.057
  rectangle net GND: 125.882,59.563 127.61,61.278
  rectangle net GND: 113.64,62.992 116.484,66.599
  rectangle net GND_SH: -0.94,1.041 3.632,7.899
  rectangle net GND_ISO: 99.769,16.535 102.481,19.235
GND (plane layer: these items are gaps in the copper):
  lines w1: 2.873,89.916 10.16,89.916 10.16,99.993 ; 9.474,0.025 9.474,8.763 ; 10.541,29.845 9.779,29.845 9.779,26.035 3.937,26.035 3.937,22.987 -1.5,22.987 -1.5,8.866 -1.397,8.763 16.129,8.763 16.256,8.89 16.256,23.495 16.383,23.622 18.415,23.622 19.812,25.019 20.701,25.019 21.209,25.527 21.209,29.718 21.082,29.845 10.668,29.845
  lines w2: 80.899,0.381 80.899,51.054 82.804,52.959 120.454,52.959 124.082,56.587 134.929,56.587 135.653,55.863 135.653,53.45 137.541,51.562 144.78,51.562 146.007,52.789 146.007,57.615 147.574,59.182 159.512,59.182
VCC (plane layer: these items are gaps in the copper):
  lines w0.5: 19.269,95.317 15.494,91.542 15.494,76.514 15.46,76.479 17.602,76.479 17.602,90.393 20.757,93.548 30.302,93.548 32.309,95.555 32.309,97.663 32.995,98.349 102.514,98.349 102.54,98.323 102.54,71.806 103.632,70.714 108.179,70.714 116.967,70.714 118.618,69.063 118.618,59.347 122.746,55.22 ; 37.77,85.014 37.77,85.598 37.795,85.623 60.401,85.623 60.401,81.509 60.401,74.422 37.795,74.422 37.77,74.447 37.77,85.192
  lines w0.6: 106.553,27.442 105.675,26.565 98.247,26.565 96.814,27.997 96.814,29.62 98.052,30.858 111.955,30.858 113.857,28.956 121.779,28.956 124.811,31.988 124.811,47.02 123.317,48.514 123.317,55.822 ; 128.016,56.587 128.016,51.689 131.064,48.641 131.064,32.143 125.427,26.506 125.427,11.413 124.374,10.36 114.96,10.36 112.995,12.325 112.995,25.42 110.214,28.202 107.308,28.202 106.674,27.567 106.674,26.382 107.517,25.54 108.952,25.54 109.89,24.601 109.89,11.657 113.431,8.116 131.503,8.116 132.273,8.886 132.273,27.888 135.653,31.268 135.653,53.45
  lines w1: 2.896,89.916 10.183,89.916 10.183,99.993 ; 9.423,8.763 10.617,8.763 ; 9.474,-0.152 9.474,8.763 -1.5,8.763 -1.5,22.987 3.937,22.987 3.937,26.035 9.779,26.035 9.779,29.845 12.573,29.845 ; 12.573,29.845 13.081,29.845 21.082,29.845 21.209,29.718 21.209,25.527 20.701,25.019 19.812,25.019 18.415,23.622 16.383,23.622 16.256,23.495 16.256,8.89 16.129,8.763 10.668,8.763 10.668,11.684 13.462,14.478 13.462,24.511 12.573,25.4 12.573,29.845
  lines w2: 80.899,0.381 80.899,51.054 82.804,52.959 120.454,52.959 124.082,56.587 134.929,56.587 135.636,55.88 135.636,53.467 137.541,51.562 144.78,51.562 146.007,52.789 146.007,57.615 147.574,59.182 159.512,59.182
Multi-Layer:
  circle w0.254: c29.4,10.7 r3
  circle w0.254: c29.4,26.7 r3
  circle w0.254: c74,84.8 r3

## Silkscreen, mask and mechanical layers (free items; w line width, h text height)
Top Overlay:
  drawing of 147 lines, arcs and shapes, not listed
  text "GPIO0" at 59.385,90.653 h1.5
  text "Eth ERR" at 62.789,79.096 h1.5
  text "GND" at 80.899,78.461 h1.4
  text "PROGRAM" at 15.465,61.412 h1.4 r90
  text "DSP" at 17.475,56.947 h2 r90
  text "ARM" at 24.562,56.642 h2 r90
  text "5V0" at 120.498,55.372 h2 r90
  text "GPIO1" at 33.477,49.682 h1.5
  text "DRS V2.0" at 101.879,41.377 h4
  text "GND" at 37.211,40.093 h1.4
  text "GRUPO ELP - MARC/2015" at 101.896,38.125 h4
  text "RESET" at 5.817,36.982 h1.4
  text "3V3" at 38.456,34.112 h2 r90
  text "GND I" at 110.109,6.375 h1.4
  text "JNHR" at 53.467,4.039 h3
  text "5V0 I" at 103.53,4.013 h2 r90